# Altium PCB COPY 1 - Copy.PcbDoc (part 1 of 2)
Units mil, origin at the board's own origin, x right, y up, seen from the top; angles counter-clockwise.
Board outline 15070 x 12950 mil, 2 copper layers (Top Layer, Bottom Layer), stack 21 mil thick; 221 components, 155 nets, 921 pads, 10 vias.
Unrouted connection lines stored in the file: 421.
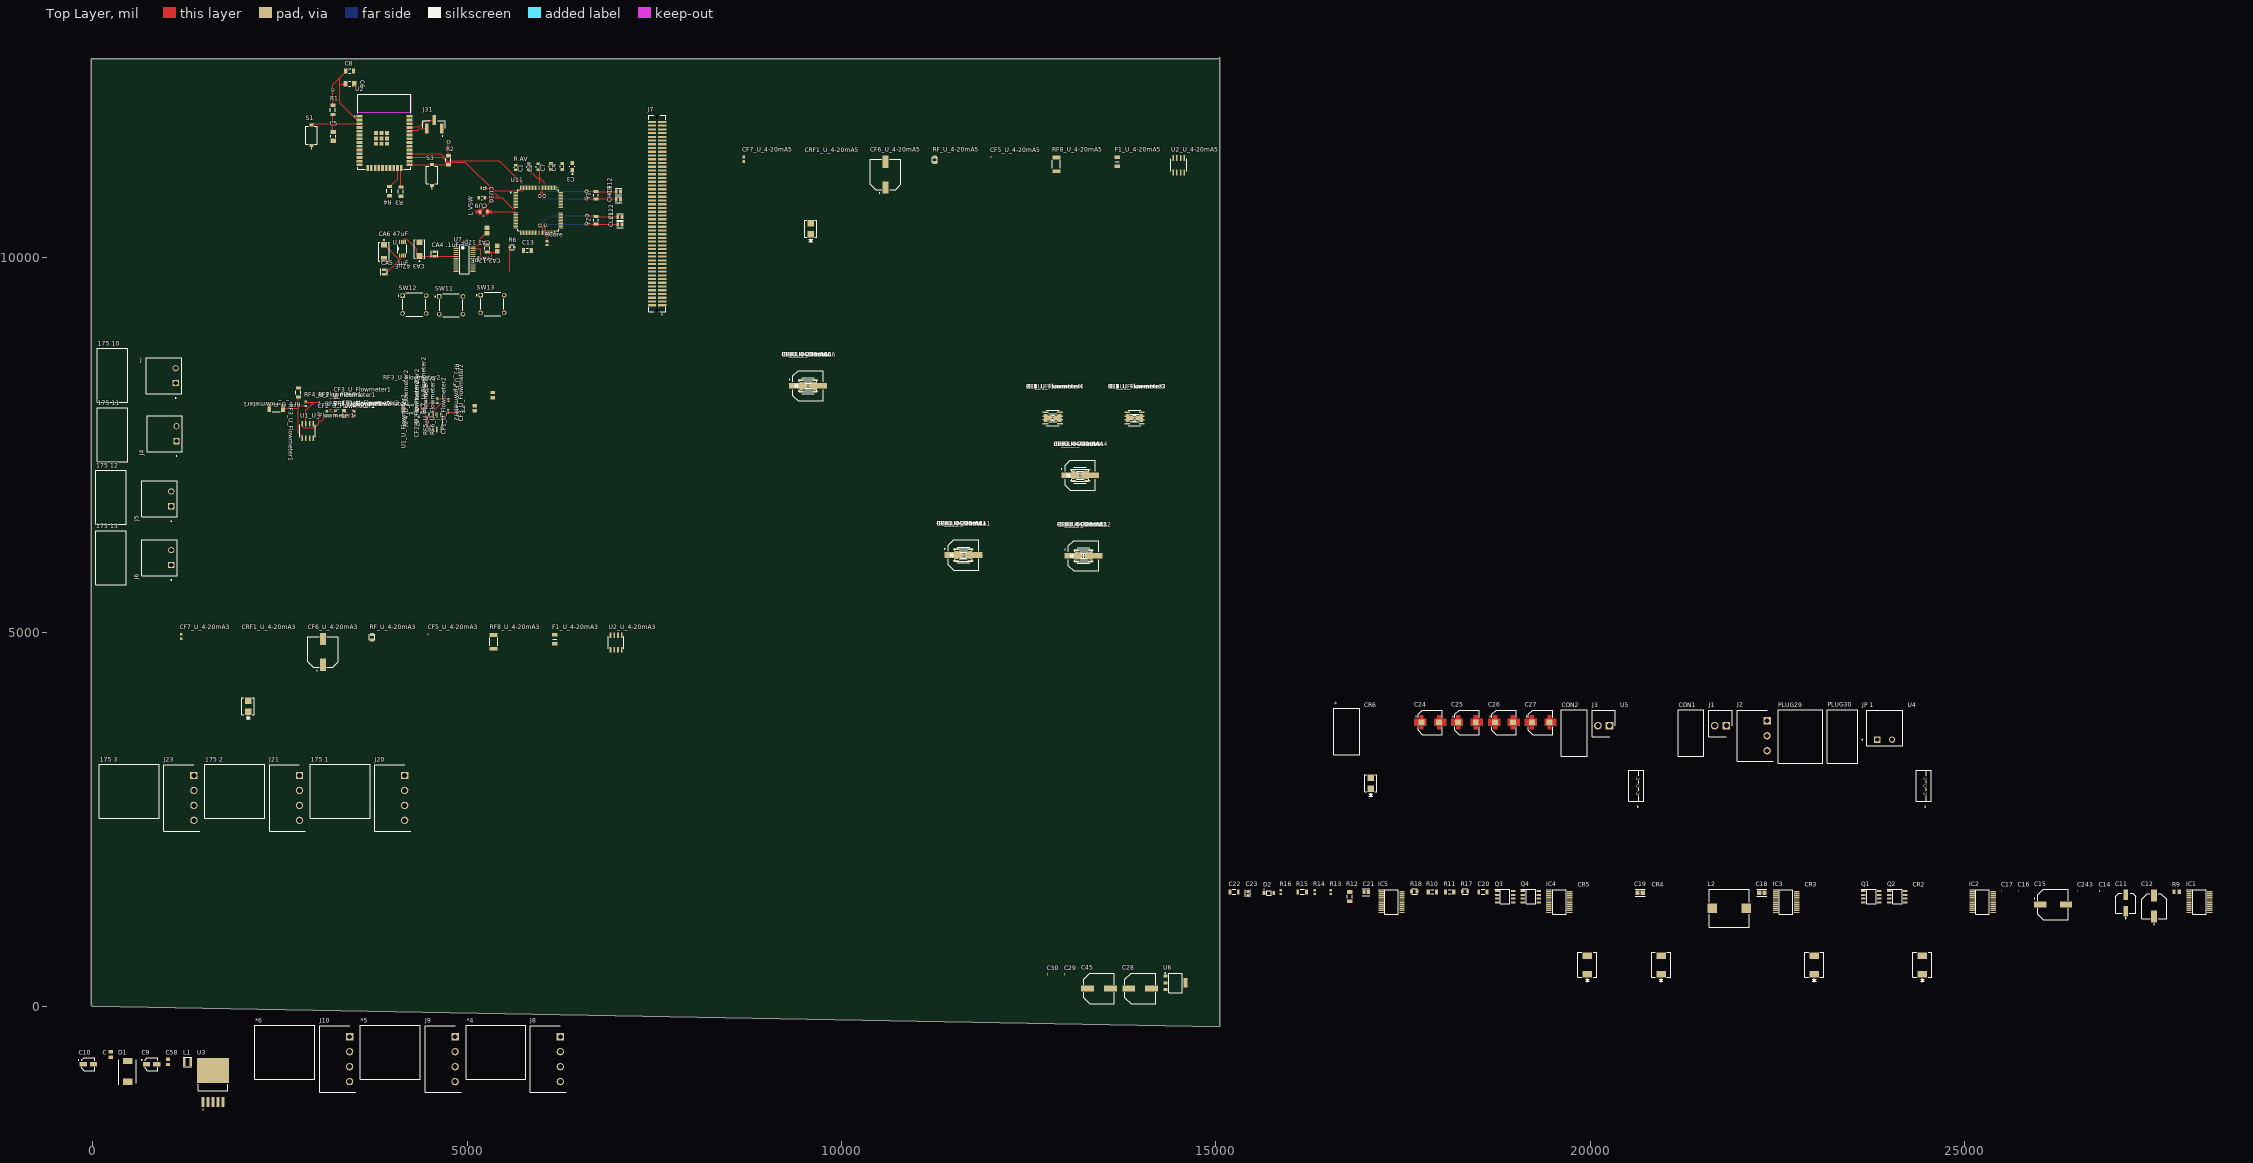
[diagram p0: Top Layer view]
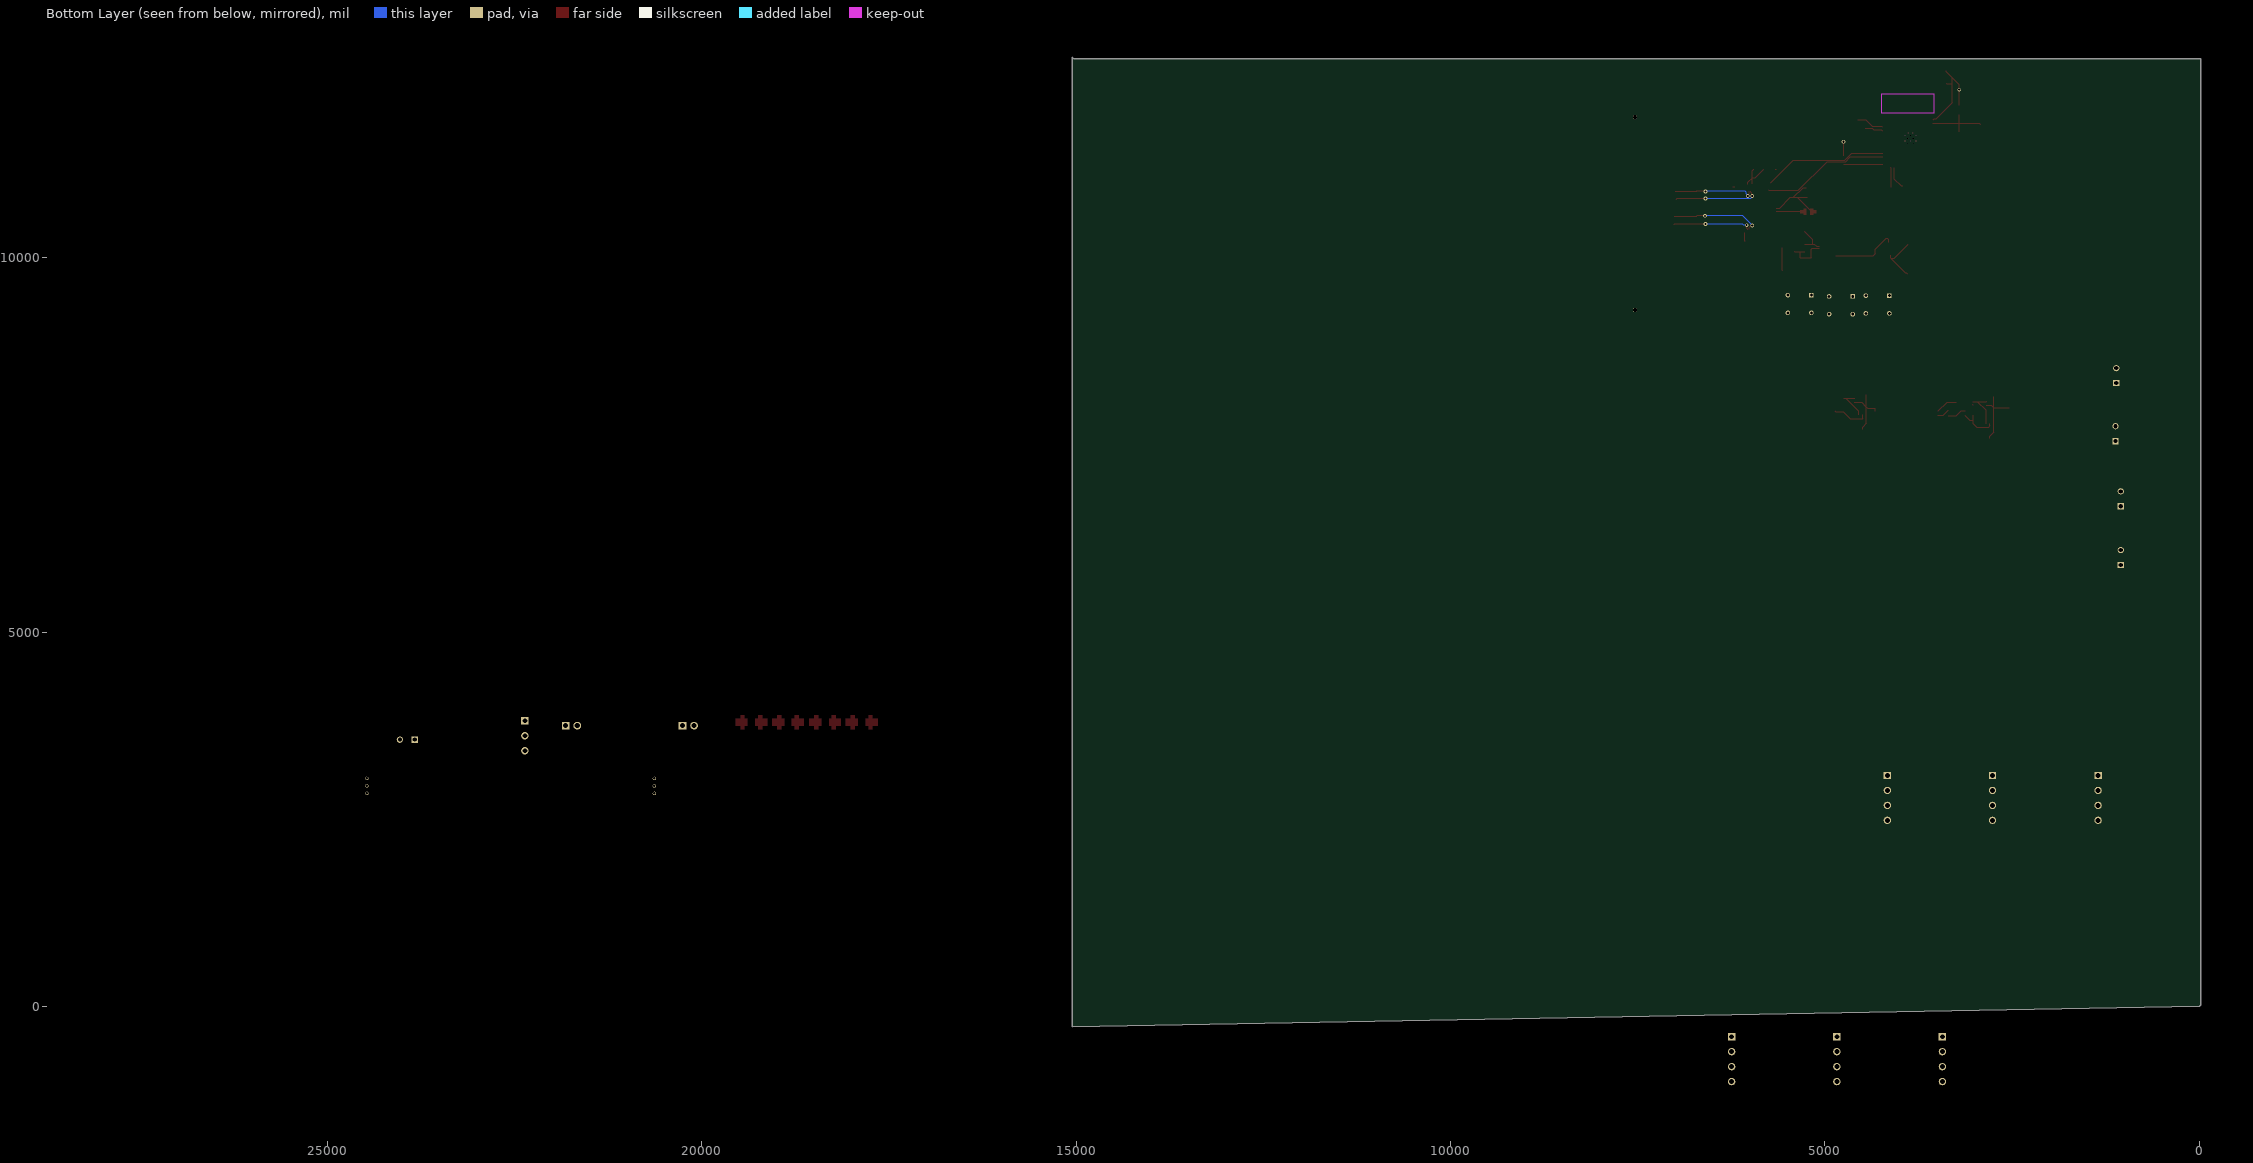
[diagram p1: Bottom Layer view, seen from below]

## Layer stack, top to bottom
Top Solder: solder mask 0.4, Solder Resist, Dk 3.5
Top Layer: signal copper 1.4
Dielectric 2: prepreg 2.8, PP-006, Dk 4.1
Dielectric 1: prepreg 12.6, FR-4, Dk 4.8
Dielectric 3: prepreg 2.8, PP-006, Dk 4.1
Bottom Layer: signal copper 1.4
Bottom Solder: solder mask 0.4, Solder Resist, Dk 3.5

## Board outline
0,0 -20,20 -20,12660 15035,12660 15050,12675 15050,-275

## Design rules (kind name [scope] priority, off if disabled: settings)
Clearance [All] p1: gap=10 ignorepadtopadclearanceinfootprint=FALSE except(0: Arc-Hole Track-Hole SMDPad-Hole THPad-Hole Via-Hole Fill-Hole Poly-Hole Region-Hole Text-Hole)
PolygonConnect [All] p1: connectstyle=Relief reliefconductorwidth=10 reliefentries=4 polygonreliefangle="90 Angle" airgapwidth=10
RoomDefinition U_3.3V_Regulator [InComponentClass('U_3.3V_Regulator')] p1: confinementstyle=ConfineIn formatcopy=TRUE lockcomponents=FALSE outline 12725,13.74 14640,13.74 14640,563.74 12725,563.74
RoomDefinition U_PowerSystem [InComponentClass('U_PowerSystem')] p2: confinementstyle=ConfineIn formatcopy=TRUE lockcomponents=FALSE outline 16565,2570 24965,2570 24965,4075 16565,4075
RoomDefinition U_Flowmeter4 [InComponentClass('U_Flowmeter4')] p3: confinementstyle=ConfineIn formatcopy=TRUE lockcomponents=FALSE outline 12452.5,7745.5 13407.5,7745.5 13407.5,8325.5 12452.5,8325.5
RoomDefinition U_Flowmeter3 [InComponentClass('U_Flowmeter3')] p4: confinementstyle=ConfineIn formatcopy=TRUE lockcomponents=FALSE outline 13545,7745 14500,7745 14500,8325 13545,8325
RoomDefinition U_24V_DCDC_Conv [InComponentClass('U_24V_DCDC_Conv')] p5: confinementstyle=ConfineIn formatcopy=TRUE lockcomponents=FALSE outline 15153.74,180 28333.74,180 28333.74,1680 15153.74,1680
RoomDefinition U_5V_DCDC_Conv [InComponentClass('U_5V_DCDC_Conv')] p6: confinementstyle=ConfineIn formatcopy=TRUE lockcomponents=FALSE outline -20,-1005 2020,-1005 2020,-180 -20,-180
RoomDefinition U_4-20mA_Inputs_(3-6) [InComponentClass('U_4-20mA_Inputs_(3-6)')] p7: confinementstyle=ConfineIn formatcopy=TRUE lockcomponents=FALSE outline 2155,-1005 6340,-1005 6340,15 2155,15
RoomDefinition U_4-20mA_Inputs_(1-3) [InComponentClass('U_4-20mA_Inputs_(1-3)')] p8: confinementstyle=ConfineIn formatcopy=TRUE lockcomponents=FALSE outline 75,2325 4260,2325 4260,3345 75,3345
RoomDefinition U_4-20mA6 [InComponentClass('U_4-20mA6')] p9: confinementstyle=ConfineIn formatcopy=TRUE lockcomponents=FALSE outline 9184.24,7760.5 10549.24,7760.5 10549.24,8755.5 9184.24,8755.5
RoomDefinition U_4-20mA5 [InComponentClass('U_4-20mA5')] p10: confinementstyle=ConfineIn formatcopy=TRUE lockcomponents=FALSE outline 8660,10026.26 15125,10026.26 15125,11491.26 8660,11491.26
RoomDefinition U_4-20mA4 [InComponentClass('U_4-20mA4')] p11: confinementstyle=ConfineIn formatcopy=TRUE lockcomponents=FALSE outline 12819.24,6565.5 14184.24,6565.5 14184.24,7560.5 12819.24,7560.5
RoomDefinition U_4-20mA3 [InComponentClass('U_4-20mA3')] p12: confinementstyle=ConfineIn formatcopy=TRUE lockcomponents=FALSE outline 1145,3649.84 7610,3649.84 7610,5114.84 1145,5114.84
RoomDefinition U_4-20mA2 [InComponentClass('U_4-20mA2')] p13: confinementstyle=ConfineIn formatcopy=TRUE lockcomponents=FALSE outline 12864.24,5490.5 14229.24,5490.5 14229.24,6485.5 12864.24,6485.5
RoomDefinition U_4-20mA1 [InComponentClass('U_4-20mA1')] p14: confinementstyle=ConfineIn formatcopy=TRUE lockcomponents=FALSE outline 11259.24,5500.5 12624.24,5500.5 12624.24,6495.5 11259.24,6495.5
RoutingVias [All] p1: holewidth=28 width=50 viastyle="Through Hole" minholewidth=28 minwidth=50 maxholewidth=28 maxwidth=50
SolderMaskExpansion [All] p1: expansion=4 istentingtop=FALSE
Width [All] p1: maxlimit=10 minlimit=10 preferedwidth=10
30 further rules are at their usual default settings.

## Classes and differential pairs
channel class Flowmeter: U_Flowmeter1 U_Flowmeter2 U_Flowmeter3 U_Flowmeter4
channel class 4-20mA: U_4-20mA1 U_4-20mA2 U_4-20mA3 U_4-20mA4 U_4-20mA5 U_4-20mA6
component class U_PowerSystem: * C24 C25 C26 C27 CON1 CON2 CR6 J1 J2 J3 "JP 1" PLUG29 PLUG30 U4 U5
component class U_MCU: C1 C2 C3 C4 C7 CU9 CU10 "L VSW" "R AV" RCore U11
component class "U_HFX LFX": CH11 CH12 CL21 CL22 Y1 Y2
component class U_Flowmeter_Interface: "175 10" "175 11" "175 12" "175 13" J J4 J5 J6
component class U_Flowmeter4: *_U_Flowmeter4 CF1_U_Flowmeter4 CF2_U_Flowmeter4 CF3_U_Flowmeter4 RF1_U_Flowmeter4 RF2_U_Flowmeter4 RF3_U_Flowmeter4 RF4_U_Flowmeter4 RF5_U_Flowmeter4 RF6_U_Flowmeter4 RF7_U_Flowmeter4 U1_U_Flowmeter4
component class U_Flowmeter3: *_U_Flowmeter3 CF1_U_Flowmeter3 CF2_U_Flowmeter3 CF3_U_Flowmeter3 RF1_U_Flowmeter3 RF2_U_Flowmeter3 RF3_U_Flowmeter3 RF4_U_Flowmeter3 RF5_U_Flowmeter3 RF6_U_Flowmeter3 RF7_U_Flowmeter3 U1_U_Flowmeter3
component class U_Flowmeter2: *_U_Flowmeter2 CF1_U_Flowmeter2 CF2_U_Flowmeter2 CF3_U_Flowmeter2 RF1_U_Flowmeter2 RF2_U_Flowmeter2 RF3_U_Flowmeter2 RF4_U_Flowmeter2 RF5_U_Flowmeter2 RF6_U_Flowmeter2 RF7_U_Flowmeter2 U1_U_Flowmeter2
component class U_Flowmeter1: *_U_Flowmeter1 CF1_U_Flowmeter1 CF2_U_Flowmeter1 CF3_U_Flowmeter1 RF1_U_Flowmeter1 RF2_U_Flowmeter1 RF3_U_Flowmeter1 RF4_U_Flowmeter1 RF5_U_Flowmeter1 RF6_U_Flowmeter1 RF7_U_Flowmeter1 U1_U_Flowmeter1
component class U_ESP32: C5 C6 C8 J31 R1 R2 R3 R4 S1 S3 U2
component class "U_Button and more": C13 J7 R6 SW12 SW13
component class "U_Analog to Digital": "CA1 12pF" "CA2 12pF" "CA3 47uF" "CA4 .1uF" "CA5 .1uF" "CA6 47uF" U U7 "YA 1"
component class U_24V_DCDC_Conv: C11 C12 C14 C15 C16 C17 C18 C19 C20 C21 C22 C23 C243 CR2 CR3 CR4 CR5 D2 IC1 IC2 IC3 IC4 IC5 L2 Q1 Q2 Q3 Q4 R9 R10 R11 R12 R13 R14 R15 R16 R17 R18
component class U_5V_DCDC_Conv: C C9 C10 C58 D1 L1 U3
component class U_4-20mA_Inputs_(3-6): *4 *5 *6 J8 J9 J10
component class U_4-20mA_Inputs_(1-3): "175 1" "175 2" "175 3" J20 J21 J23
component class U_4-20mA6: CF5_U_4-20mA6 CF6_U_4-20mA6 CF7_U_4-20mA6 CRF1_U_4-20mA6 F1_U_4-20mA6 RF8_U_4-20mA6 RF_U_4-20mA6 U2_U_4-20mA6
component class U_4-20mA5: CF5_U_4-20mA5 CF6_U_4-20mA5 CF7_U_4-20mA5 CRF1_U_4-20mA5 F1_U_4-20mA5 RF8_U_4-20mA5 RF_U_4-20mA5 U2_U_4-20mA5
component class U_4-20mA4: CF5_U_4-20mA4 CF6_U_4-20mA4 CF7_U_4-20mA4 CRF1_U_4-20mA4 F1_U_4-20mA4 RF8_U_4-20mA4 RF_U_4-20mA4 U2_U_4-20mA4
component class U_4-20mA3: CF5_U_4-20mA3 CF6_U_4-20mA3 CF7_U_4-20mA3 CRF1_U_4-20mA3 F1_U_4-20mA3 RF8_U_4-20mA3 RF_U_4-20mA3 U2_U_4-20mA3
component class U_4-20mA2: CF5_U_4-20mA2 CF6_U_4-20mA2 CF7_U_4-20mA2 CRF1_U_4-20mA2 F1_U_4-20mA2 RF8_U_4-20mA2 RF_U_4-20mA2 U2_U_4-20mA2
component class U_4-20mA1: CF5_U_4-20mA1 CF6_U_4-20mA1 CF7_U_4-20mA1 CRF1_U_4-20mA1 F1_U_4-20mA1 RF8_U_4-20mA1 RF_U_4-20mA1 U2_U_4-20mA1
component class U_3.3V_Regulator: C28 C29 C30 C45 U6

## Components (designator, comment, footprint, x,y, rotation, side; value= is the part's Value field where it differs from the comment)
"175 1" "1758377" Connector_1758377 3285,2875 r0 top
"175 2" "1758377" Connector_1758377 1875,2875 r0 top
"175 3" "1758377" Connector_1758377 465,2875 r0 top
"175 10" "1758364" Connector_1758364 275,8430 r90 top
"175 11" "1758364" Connector_1758364 275,7635 r90 top
"175 12" "1758364" Connector_1758364 255,6800 r90 top
"175 13" "1758364" Connector_1758364 255,5995 r90 top
* "09-50-8023" Connector_09-50-8023 16745,3660 r0 top
*4 "1758377" Connector_1758377 5365,-615 r0 top
*5 "1758377" Connector_1758377 3955,-615 r0 top
*6 "1758377" Connector_1758377 2545,-615 r0 top
C "C0805C104M5UACTU" CAPC2012X88N 240,-642.2 r90 top
C1 "CGA3E2X7R1H104K080AA" FP-CGA3E-0_3-0_1-IPC_A 5820,11215 r90 top
C2 "CGA3E2X7R1H104K080AA" FP-CGA3E-0_3-0_1-IPC_A 5950,11215 r90 top
C3 "T520A106M010ATE080" FP-T520A106M010ATE080-MFG 6405,11217.24 r270 top
C4 "CGA3E2X7R1H104K080AA" FP-CGA3E-0_3-0_1-IPC_A 6270,11220.35 r90 top
C5 "C1206C104K5RACTU" KEMT-1206-2_M 3210,11620.94 r90 top
C6 "C1206C104K5RACTU" KEMT-1206-2_M 3434.06,12325 r0 top
C7 "CGA3E2X7R1H104K080AA" FP-CGA3E-0_3-0_1-IPC_A 6120,11220 r90 top
C8 "12063D106KAT2A" CAPC3216X229X50LL20T25 3430,12495 r0 top
C9 "EEEFN1C470UR" CAP_EEEFN1C470UR 785,-772.2 r0 top
C10 "EEEFN1C470UR" CAP_EEEFN1C470UR -60,-772.2 r0 top
C11 "35SVPF22M" FP-SVPFC6-MFG 27153.74,1380 r90 top
C12 "EEE-HA1E221UP" FP-HAF-MFG 27533.74,1340 r90 top value=220uF
C13 "12067C102KAT2A" CAPC3216X102X50LL20T25 5805,10100 r0 top
C14 "GRM022R60J104ME15L" CAPC0402X22N 26803.74,1545 r90 top
C15 "EEVEB2V4R7Q" CAP_EEVEB2V4R7Q 26183.74,1360 r0 top
C16 "GRM022R60J104ME15L" CAPC0402X22N 25718.74,1545 r90 top
C17 "GRM022R60J104ME15L" CAPC0402X22N 25498.74,1545 r90 top
C18 "C0805C224K5RACTU" FP-C0805C-DN-IPC_A 22293.74,1520 r0 top value="0.22 μF"
C19 "C0805C224K5RACTU" FP-C0805C-DN-IPC_A 20668.74,1520 r0 top value="0.22 μF"
C20 "C1206C680J5GACTU" FP-C1206C-EB-MFG 18568.74,1530 r0 top value="68 pF"
C21 "CC0805KRX7R9BB223" FP-CC0805-0_85-IPC_C 17008.74,1525 r0 top value="22 nF"
C22 "C1206C470J5GACTU" FP-C1206C-EB-MFG 15243.74,1530 r0 top value="47 pF"
C23 "CC0603KRX7R9BB103" FP-CC0603-DA-IPC_B 15428.74,1510 r90 top value="10 nF"
C24 "EEEFK0J102AV" CAP_EEEFK0J102AV 17865,3795 r0 top
C25 "EEEFK0J102AV" CAP_EEEFK0J102AV 18355,3795 r0 top
C26 "EEEFK0J102AV" CAP_EEEFK0J102AV 18850,3795 r0 top
C27 "EEEFK0J102AV" CAP_EEEFK0J102AV 19340,3795 r0 top
C28 "EEE-1HA221P" PNSC-EEE-1HA221P_L 13990,238.74 r0 top
C29 "GRM022R60J104ME15L" CAPC0402X22N 12980,428.74 r90 top
C30 "GRM022R60J104ME15L" CAPC0402X22N 12750,428.74 r90 top
C45 "EEE-1HA221P" PNSC-EEE-1HA221P_L 13440,238.74 r0 top
C58 "GRM022R60J104ME15L" CAPC2012X88N 1005,-742.2 r90 top
C243 "GRM022R60J104ME15L" CAPC0402X22N 26513.74,1545 r90 top
"CA1 12pF" "08055A120JAT2A" CAPC2013X71X50ML20T25 5265,10366.42 r270 top
"CA2 12pF" "08055A120JAT2A" CAPC2013X71X50ML20T25 5405,10125 r270 top
"CA3 47uF" "T491C476K016AT" FP-T491C476K016AT-MFG 4365,10115 r270 top
"CA4 .1uF" "C0805C104K5RACTU" FP-C0805C-DN-MFG 4565,10050 r90 top value="0.10 μF"
"CA5 .1uF" "C0805C104K5RACTU" FP-C0805C-DN-MFG 3890,9810 r90 top value="0.10 μF"
"CA6 47uF" "T491C476K016AT" FP-T491C476K016AT-MFG 3890,10080 r90 top
CF1_U_Flowmeter1 "08056C106MAT2A" CAPC2012X152N 3355,7920 r90 top (schematic designator CF1)
CF1_U_Flowmeter2 "08056C106MAT2A" CAPC2012X152N 5100,7990 r90 top (schematic designator CF1)
CF1_U_Flowmeter3 "08056C106MAT2A" CAPC2012X152N 13914.5,7859.5 r0 top (schematic designator CF1)
CF1_U_Flowmeter4 "08056C106MAT2A" CAPC2012X152N 12822,7860 r0 top (schematic designator CF1)
CF2_U_Flowmeter1 "CGJ2B2X7R1C222K050BA" CAPC1005X55N 3015,7912.8 r90 top (schematic designator CF2)
CF2_U_Flowmeter2 "CGJ2B2X7R1C222K050BA" CAPC1005X55N 4745,7950 r90 top (schematic designator CF2)
CF2_U_Flowmeter3 "CGJ2B2X7R1C222K050BA" CAPC1005X55N 13914.5,7859.5 r0 top (schematic designator CF2)
CF2_U_Flowmeter4 "CGJ2B2X7R1C222K050BA" CAPC1005X55N 12822,7860 r0 top (schematic designator CF2)
CF3_U_Flowmeter1 "08056C106MAT2A" CAPC2012X152N 3245,8100 r90 top (schematic designator CF3)
CF3_U_Flowmeter2 "08056C106MAT2A" CAPC2012X152N 5340,8165.35 r90 top (schematic designator CF3)
CF3_U_Flowmeter3 "08056C106MAT2A" CAPC2012X152N 13914.5,7859.5 r0 top (schematic designator CF3)
CF3_U_Flowmeter4 "08056C106MAT2A" CAPC2012X152N 12822,7860 r0 top (schematic designator CF3)
CF5_U_4-20mA1 "GRM022R60J104ME15L" CAPC0402X22N 11628.74,6030 r0 top (schematic designator CF5)
CF5_U_4-20mA2 "GRM022R60J104ME15L" CAPC0402X22N 13233.74,6020 r0 top (schematic designator CF5)
CF5_U_4-20mA3 "GRM022R60J104ME15L" CAPC0402X22N 4480,4969.84 r90 top (schematic designator CF5)
CF5_U_4-20mA4 "GRM022R60J104ME15L" CAPC0402X22N 13188.74,7095 r0 top (schematic designator CF5)
CF5_U_4-20mA5 "GRM022R60J104ME15L" CAPC0402X22N 11995,11346.26 r90 top (schematic designator CF5)
CF5_U_4-20mA6 "GRM022R60J104ME15L" CAPC0402X22N 9553.74,8290 r0 top (schematic designator CF5)
CF6_U_4-20mA1 "EEVEB2V4R7Q" CAP_EEVEB2V4R7Q 11628.74,6030 r0 top (schematic designator CF6)
CF6_U_4-20mA2 "EEVEB2V4R7Q" CAP_EEVEB2V4R7Q 13233.74,6020 r0 top (schematic designator CF6)
CF6_U_4-20mA3 "EEVEB2V4R7Q" CAP_EEVEB2V4R7Q 3075,4734.84 r90 top (schematic designator CF6)
CF6_U_4-20mA4 "EEVEB2V4R7Q" CAP_EEVEB2V4R7Q 13188.74,7095 r0 top (schematic designator CF6)
CF6_U_4-20mA5 "EEVEB2V4R7Q" CAP_EEVEB2V4R7Q 10590,11111.26 r90 top (schematic designator CF6)
CF6_U_4-20mA6 "EEVEB2V4R7Q" CAP_EEVEB2V4R7Q 9553.74,8290 r0 top (schematic designator CF6)
CF7_U_4-20mA1 "GCM188R71C105KA64J" CAPC1608X90N 11628.74,6030 r0 top (schematic designator CF7)
CF7_U_4-20mA2 "GCM188R71C105KA64J" CAPC1608X90N 13233.74,6020 r0 top (schematic designator CF7)
CF7_U_4-20mA3 "GCM188R71C105KA64J" CAPC1608X90N 1180,4939.84 r90 top (schematic designator CF7)
CF7_U_4-20mA4 "GCM188R71C105KA64J" CAPC1608X90N 13188.74,7095 r0 top (schematic designator CF7)
CF7_U_4-20mA5 "GCM188R71C105KA64J" CAPC1608X90N 8695,11316.26 r90 top (schematic designator CF7)
CF7_U_4-20mA6 "GCM188R71C105KA64J" CAPC1608X90N 9553.74,8290 r0 top (schematic designator CF7)
CH11 "C0805C220J1GACTU" FP-C0805C-DN-MFG 7020,10775 r180 top value="22 pF"
CH12 "C0805C220J1GACTU" FP-C0805C-DN-MFG 7020,10885 r180 top value="22 pF"
CL21 "C0805C220J1GACTU" FP-C0805C-DN-MFG 7040,10442.47 r180 top value="22 pF"
CL22 "C0805C220J1GACTU" FP-C0805C-DN-MFG 7040,10545 r180 top value="22 pF"
CON1 "09-50-8023" Connector_09-50-8023 21345,3640 r0 top
CON2 "09-50-8023" Connector_09-50-8023 19785,3640 r0 top
CR2 "SS34-E3/9AT" CR_3/9AT_VIS 24438.74,555 r90 top
CR3 "SS34-E3/9AT" CR_3/9AT_VIS 22993.74,555 r90 top
CR4 "SS34-E3/9AT" CR_3/9AT_VIS 20948.74,555 r90 top
CR5 "SS34-E3/9AT" CR_3/9AT_VIS 19963.74,555 r90 top
CR6 "1KSMB39CA" 1KSMBSeries_LTF 17070,2980 r90 top
CRF1_U_4-20mA1 "1KSMB39CA" 1KSMBSeries_LTF 11628.74,6030 r0 top (schematic designator CRF1)
CRF1_U_4-20mA2 "1KSMB39CA" 1KSMBSeries_LTF 13233.74,6020 r0 top (schematic designator CRF1)
CRF1_U_4-20mA3 "1KSMB39CA" 1KSMBSeries_LTF 2075,4009.84 r90 top (schematic designator CRF1)
CRF1_U_4-20mA4 "1KSMB39CA" 1KSMBSeries_LTF 13188.74,7095 r0 top (schematic designator CRF1)
CRF1_U_4-20mA5 "1KSMB39CA" 1KSMBSeries_LTF 9590,10386.26 r90 top (schematic designator CRF1)
CRF1_U_4-20mA6 "1KSMB39CA" 1KSMBSeries_LTF 9553.74,8290 r0 top (schematic designator CRF1)
CU9 "CGA3E2X7R1H104K080AA" FP-CGA3E-0_3-0_1-IPC_A 5195,10800 r180 top
CU10 "TPCL475K010R5000" CAPC1609X100X15LL20 5220,10930 r0 top
D1 "SS34-E3_57T" DIOM7959X262N 465,-867.2 r90 top
D2 "MMSZ4689T1G" ONSC-SOD-123-2-425-04_V 15708.74,1515 r0 top
F1_U_4-20mA1 "0ZCJ0005FF2E" FUSC3216X85N 11628.74,6030 r0 top (schematic designator F1)
F1_U_4-20mA2 "0ZCJ0005FF2E" FUSC3216X85N 13233.74,6020 r0 top (schematic designator F1)
F1_U_4-20mA3 "0ZCJ0005FF2E" FUSC3216X85N 6170,4904.84 r90 top (schematic designator F1)
F1_U_4-20mA4 "0ZCJ0005FF2E" FUSC3216X85N 13188.74,7095 r0 top (schematic designator F1)
F1_U_4-20mA5 "0ZCJ0005FF2E" FUSC3216X85N 13685,11281.26 r90 top (schematic designator F1)
F1_U_4-20mA6 "0ZCJ0005FF2E" FUSC3216X85N 9553.74,8290 r0 top (schematic designator F1)
IC1 "LTC3780EG#PBF" SOP65P780X200-24N 28138.74,1395 r0 top
IC2 "LTC3780EG#PBF" SOP65P780X200-24N 25243.74,1395 r0 top
IC3 "LTC3780EG#PBF" SOP65P780X200-24N 22618.74,1395 r0 top